# Altium PCB proto_main.PcbDoc (continued)
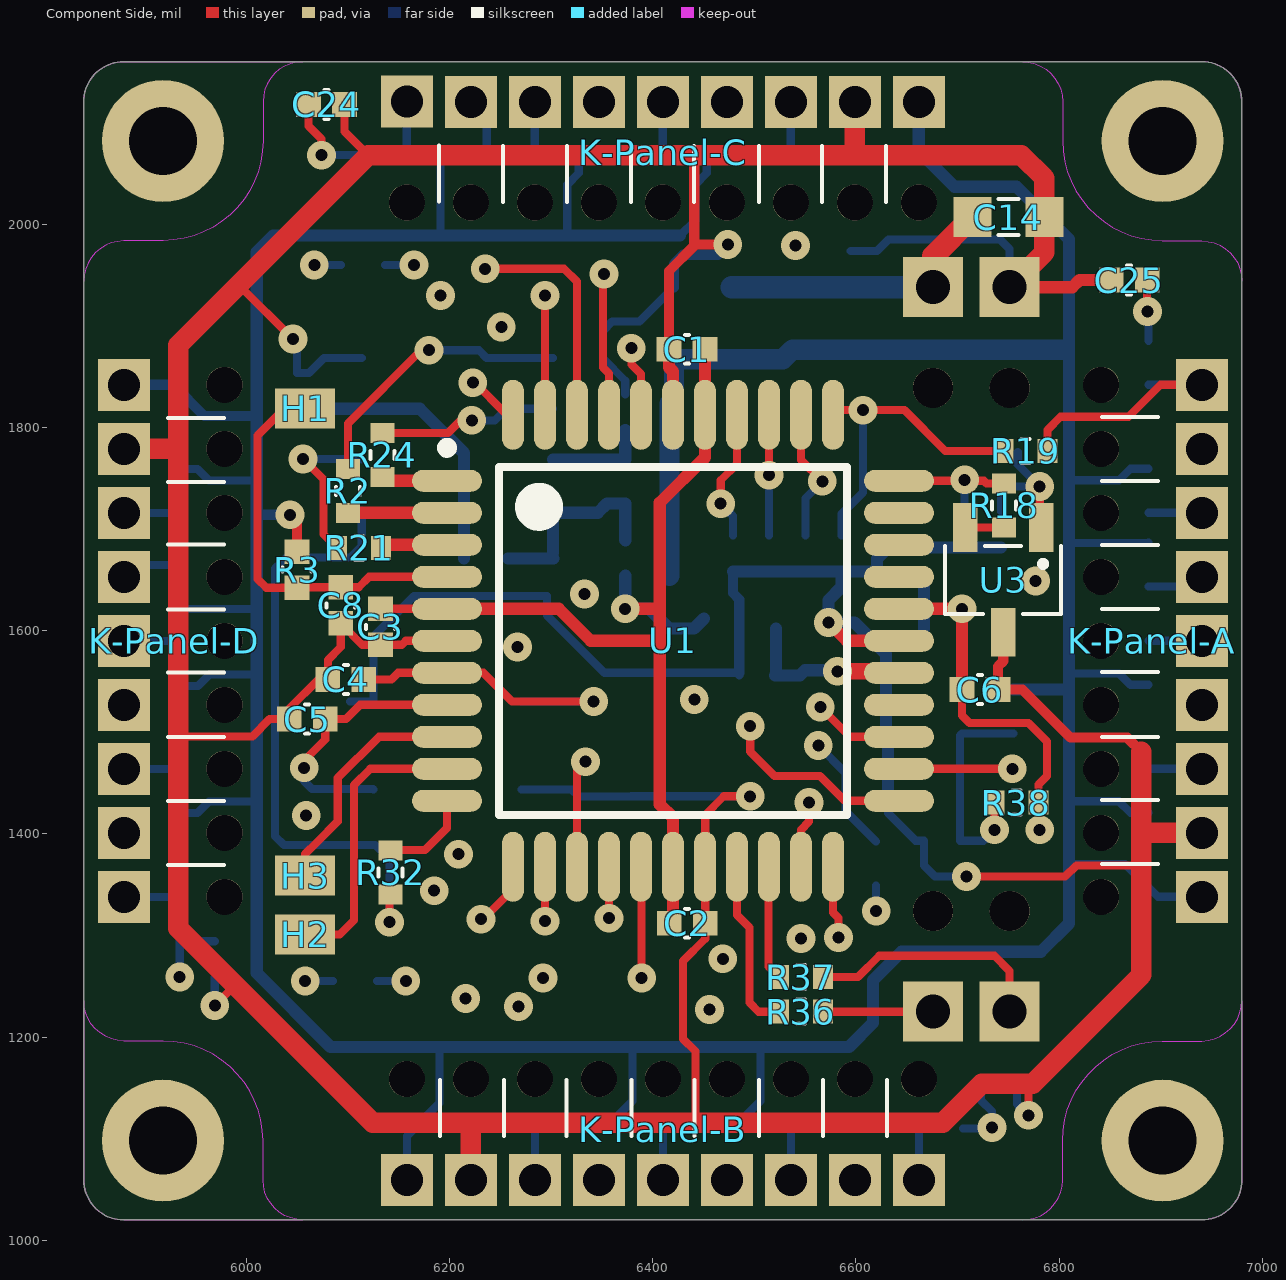
[diagram p0: Component Side view]
## Components (designator, comment, footprint, x,y, rotation, side; value= is the part's Value field where it differs from the comment) (continued)
K_SDA "AWG24 wire" wire-awg26-1_stress-relief 6751.33,1284 r90 bottom
K_Vbus "AWG24 wire" wire-awg26-1_stress-relief 6676,1879 r270 bottom
L1 "10 uH" SMD_Resistor_0603 6486,1602 r180 bottom
L2 "10 uH" SMD_Resistor_0603 6478,1902.62 r270 bottom
R1 "10R/1%" SMD_Resistor_0402 6395,1654 r180 bottom
R2 "0402" SMD_Resistor_0402 6100,1737.64 r90 top
R3 "0402" SMD_Capacitor_0402 6050,1660 r90 top
R4 "4.7k/1%" SMD_Resistor_0402 6888,1442.38 r90 bottom
R5 "4.7k/1%" SMD_Resistor_0402 6305.68,1110 r180 bottom
R6 "4.7k/1%" SMD_Resistor_0402 6514,2068 r0 bottom
R7 "4.7k/1%" SMD_Resistor_0402 5934.5,1737.62 r270 bottom
R8 "4.7k/1%" SMD_Resistor_0402 5932,1643 r90 bottom
R9 "4.7k/1%" SMD_Resistor_0402 6888,1568.35 r90 bottom
R10 "4.7k/1%" SMD_Resistor_0402 6388.36,1110 r0 bottom
R11 "4.7k/1%" SMD_Resistor_0402 6431.64,2068 r180 bottom
R12 "4.7k/1%" SMD_Resistor_0402 5932,1568 r90 bottom
R13 "4.7k/1%" SMD_Resistor_0402 6888,1665 r270 bottom
R14 "4.7k/1%" SMD_Resistor_0402 6888,1737.65 r270 bottom
R15 "4.7k/1%" SMD_Resistor_0402 6514.35,1110 r0 bottom
R16 "4.7k/1%" SMD_Resistor_0402 5934.5,1442.35 r90 bottom
R17 "4.7k/1%" SMD_Resistor_0402 6215,2068 r0 bottom
R18 "1k/1%" SMD_Resistor_0402 6746,1723.23 r90 top
R19 "1k/1%" SMD_Resistor_0402 6767,1777 r180 top
R20 "0402" SMD_Resistor_0402 6395,1689 r0 bottom
R21 "0402" SMD_Resistor_0402 6111,1681.49 r180 top
R22 "0402" SMD_Resistor_0402 6373,1746.76 r270 bottom
R23 "0402" SMD_Resistor_0402 6236,1671 r0 bottom
R24 "0402" SMD_Resistor_0402 6134,1773 r90 top
R25 "1k/1%" SMD_Resistor_0402 6620,1371 r90 bottom
R26 "1k/1%" SMD_Resistor_0402 6755,1520.35 r270 bottom
R27 "1M/1%" SMD_Resistor_0402 6642.44,1654.99 r180 bottom
R28 "1k/1%" SMD_Resistor_0402 6888,1863.64 r270 bottom
R29 "1k/1%" SMD_Resistor_0402 6683.64,1110 r180 bottom
R30 "1k/1%" SMD_Resistor_0402 6136.36,2068 r0 bottom
R31 "1k/1%" SMD_Resistor_0402 5934.5,1316 r90 bottom
R32 "0402" SMD_Resistor_0402 6142,1362 r270 top
R33 "1k/1%" SMD_Resistor_0402 6115,1960 r0 bottom
R34 "4.7k/1%" SMD_Resistor_0402 6305.65,2068 r180 bottom
R35 "1k/1%" SMD_Resistor_0402 6106.99,1255.19 r0 bottom
R36 "100R/1%" SMD_Resistor_0402 6546,1224.94 r0 top
R37 "100R/1%" SMD_Resistor_0402 6546,1259 r0 top
R38 "10R/1%" SMD_Resistor_0402 6758,1430.76 r0 top
R39 "10R/1%" SMD_Resistor_0402 6781,1776 r180 bottom
REF1 "LM4040-3V 1%" SOT23-3 6667,1550.27 r90 bottom
U1 "ATmega324P-15AT" 44ML_N 6420,1590 r0 top
U2 "FM25W256" SOIC-8-N 6209,1794 r0 bottom
U3 "LM60" SOT23-3 6745,1650 r270 top
XT1 "8 MHz" "SMD, 5mm x 3.2mm" 6198,1487 r180 bottom

## Footprints (in the part's own frame and the unit in brackets; to place one, negate y for a bottom-side part, rotate by r counter-clockwise, add the part's x,y. Pads: shape width x height; smd on the part's side, far side on the other; paste and mask are expansions set on the pad)
44ML_N [mm] "Thin QFP, 44-Leads, Body 10x10mm, Pitch 0.8mm, IPC Medium Density"
  oval 1.75x0.55 smd: 1(-5.65,4) 2(-5.65,3.2) 3(-5.65,2.4) 4(-5.65,1.6) 5(-5.65,0.8) 6(-5.65,0) 7(-5.65,-0.8) 8(-5.65,-1.6) 9(-5.65,-2.4) 10(-5.65,-3.2) 11(-5.65,-4) 23(5.65,-4) 24(5.65,-3.2) 25(5.65,-2.4) 26(5.65,-1.6) 27(5.65,-0.8) 28(5.65,0) 29(5.65,0.8) 30(5.65,1.6) 31(5.65,2.4) 32(5.65,3.2) 33(5.65,4)
  oval 0.55x1.75 smd: 12(-4,-5.65) 13(-3.2,-5.65) 14(-2.4,-5.65) 15(-1.6,-5.65) 16(-0.8,-5.65) 17(0,-5.65) 18(0.8,-5.65) 19(1.6,-5.65) 20(2.4,-5.65) 21(3.2,-5.65) 22(4,-5.65) 34(4,5.65) 35(3.2,5.65) 36(2.4,5.65) 37(1.6,5.65) 38(0.8,5.65) 39(0,5.65) 40(-0.8,5.65) 41(-1.6,5.65) 42(-2.4,5.65) 43(-3.2,5.65) 44(-4,5.65)
  silkscreen extent -5.77,-4.35 4.35,4.95, body extent -5,-5 5,5, height 1.2
"SMD, 5mm x 3.2mm" [mm]
  rect 2x1.2 smd: 1(-1.85,1.1) 2(1.85,-1.1) 3(-1.85,-1.1) 4(1.85,1.1)
  silkscreen extent -2.58,2.03 -2.49,2.12, body extent -2.5,-1.6 2.5,1.6, height 1
SMD_Capacitor_0402 [mm] "SMD Capacitor, Inch 0402, Metric 1005."
  rect 0.62x0.62 smd: 1(-0.45,0) 2(0.45,0)
  silkscreen extent -0.05,-0.36 0.05,0.36, body extent -0.5,-0.3 0.5,0.3, height 0.2
SMD_Capacitor_0603 [mm] "SMD Capacitor, Inch 0603, Metric 1608."
  rect 0.95x1 smd: 1(-0.9,0) 2(0.9,0)
  silkscreen extent -0.25,-0.45 0.25,0.45, body extent -0.8,-0.4 0.8,0.4, height 0.3
SMD_Resistor_0402 [mm] "SMD Resistor, Inch 0402, Metric 1005."
  rect 0.5x0.6 smd: 1(-0.55,0) 2(0.55,0)
  silkscreen extent -0.1,-0.3 0.1,0.3, body extent -0.52,-0.3 0.52,0.3, height 0.34
SMD_Resistor_0603 [mm] "SMD Resistor, Inch 0603, Metric 1608."
  rect 0.9x0.9 smd: 1(-0.9,0) 2(0.9,0)
  silkscreen extent -0.25,-0.45 0.25,0.45, body extent -0.8,-0.45 0.8,0.45, height 0.5
SOIC-8-N [mm] "JEDEC standard. SO-8."
  rect 1.78x0.72 smd: 1(-2.42,1.92) 2(-2.42,0.65) 3(-2.42,-0.62) 4(-2.42,-1.89) 5(2.36,-1.89) 6(2.36,-0.62) 7(2.36,0.65) 8(2.36,1.92)
  silkscreen extent -2.15,-2.45 2.11,2.45, body extent -3.02,-2.44 2.98,2.46, height 1.7
SOT23-3 [mm] "JEDEC TO-236AB package."
  rect 1.22x0.62 smd: 1(-1.31,0.95) 2(-1.31,-0.95) 3(1.31,0)
  silkscreen extent -0.85,-1.45 0.85,1.45, body extent -1.4,-1.45 1.4,1.45, height 1.3
wire-awg26-1_stress-relief [mm] "Single wire AWG26 solder point with a stress relief."
  round 1 hole 1 unplated: 0(1.017,0)
  rect 1.5x1.5 hole 0.85: 1(-1.5,0)
  silkscreen extent -0.4,-0.78 1,0.78, body extent -1.75,-0.25 1.29,0.25, height 3.23
wire-awg26-9_stress-relief [mm] "Nine-pad wire AWG26 solder point with a stress relief, 1.27 mm raster."
  round 0.9 hole 0.9 unplated: 0(1.017,0) 0(1.019,12.8) 0(1.019,11.2) 0(1.019,9.6) 0(1.019,8) 0(1.019,6.4) 0(1.019,4.8) 0(1.019,3.2) 0(1.019,1.6)
  rect 1.3x1.3 hole 0.8: 1(-1.5,0) 2(-1.499,1.6) 3(-1.499,3.2) 4(-1.499,4.8) 5(-1.499,6.4) 6(-1.499,8) 7(-1.499,9.6) 8(-1.499,11.2) 9(-1.499,12.8)
  silkscreen extent -0.4,0.8 1,11.97, body extent -1.75,-0.25 1.3,13.05, height 2.66
Wire_AWG-26_SMD [mm] "An AWG-26 SMD wire with stress relief."
  rect 1x1.5 smd: 1(0,0)

## Part data
C1 C2 C3 C6 C7 C8 C9 C10 C11 C12 C13 C14 C15 C16: library part Cap, "Capacitor"
C4 C5 C17 C18 C19: library part Cap1, "Capacitor"
C20: library part Cer_C0603T104K5RALTU, "Ceramic Cap Kemet COTS 100n/50V X7R 0603"
C21 C22 C23 C24 C25: library part Cer_C0402T103K5RALTU, "Ceramic Cap Kemet COTS 10n/50V X7R 0402"
C26: library part Cer_GCM155R71H103KA55D, "Ceramic Cap Murata Automotive 10n/50V X7R 0402"
H1 H2 H3: "SMD wire solder point."
K-Panel-A K-Panel-B K-Panel-C K-Panel-D: library part wire-awg26-9, "Single wire AWG26 solder point."
K_GND K_SCL K_SDA K_Vbus: library part wire-awg26-1, "Single wire AWG26 solder point."
L1 L2: library part Inductor, "Inductor"
R1 R38 R39: library part CRCW040210R0FKxxxx, "10R/1% Vishay CRCW 0402 Resistor. 63mW, 100ppm, 50V."
R2 R3 R20 R21 R22 R23 R24 R32: library part Res2, "Resistor"
R4 R5 R6 R7 R8 R9 R10 R11 R12 R13 R14 R15 R16 R17 R34: library part CRCW04024K70FKxxxx, "4.7k/1% Vishay CRCW 0402 Resistor. 63mW, 100ppm, 50V."
R18 R19 R25 R26 R28 R29 R30 R31 R33 R35: library part CRCW04021K00FKxxxx, "1k/1% Vishay CRCW 0402 Resistor. 63mW, 100ppm, 50V."
R27: library part CRCW04021M00FKxxxx, "1M/1% Vishay CRCW 0402 Resistor. 63mW, 100ppm, 50V."
R36 R37: library part CRCW0402100RFKxxxx, "100R/1% Vishay CRCW 0402 Resistor. 63mW, 100ppm, 50V."
REF1: library part LM4040DIM3-3.0, "Shunt V-REF, 3V, 1%, SOT23-3"
U1: "8-bit Automotive AVR Microcontroller, 32KB Flash, 1KB EEPROM, 2KB SRAM, Automotive Quality (-40°C to +85°C), 44-Pin TQFP"
U2: "256Kb (8k x 32) SPI F-RAM"
U3: "Analog temperature sensor"
XT1: library part ABM3B-8.000MHZ-B2-T, "Resonator Ceramic"

## Free pads (board coordinates)
  round 120 hole 66.93: 0(5918,1098) 0(5918,2082) 0(6902,1098) 0(6902,2082)

## Via types
v1: diameter 28.35, hole 11.81, Component Side to Solder Side, tented both sides, 66 vias

## Nets (pads, with @x,y where several pads share a name; then routed paths per layer and width w, separated by ;. In a path a pad name is that pad's centre, name@x,y a point inside that pad or via, vN(x,y) a via of type N, cw(c..) or ccw(c..) an arc to the next point about the centre after c; other vN are vias at no path point)
3V0-REF: C6.2 C22.1 C23.1 C24.1 C25.1 R28.1 R29.1 R30.1 R31.1 R38.2 U1.29 | length 3383
  Component Side w8: C24.1 6061.28,2096.72 6074,2084 v1(6074,2068) ; C6.2@6704.4,1543 C6.2 6704.4,1516.6 6712,1509 6770,1509 6788,1491 6788,1457 6779.65,1448.65 R38.2 6779.65,1405.35 v1(6781,1404) ; C25.1 6886.72,1914.28 v1(6887,1914)
  Component Side w12: U1.29 v1(6704.4,1621.5) ; C6.2@6704.4,1543 v1@6704.4,1620
  Signal Layer 1 w8: v1(5934.5,1259) 5934.5,1283.72 5959.08,1308.3 5990.86,1308.3 6009,1326.44 6009,1954.63 6074,2019.63 v1(6074,2068) ; v1(6734,1111) 6734,1126 6887,1279 6887,1431 ; v1(6781,1404) 6808,1431 6887,1431 ; v1(6887,1914) 6887,1431
  Signal Layer 2 w8: v1(5934.5,1259) 5986,1259 6126,1119 6726,1119 v1(6734,1111)
  Solder Side w8: v1(5934.5,1259) R31.1 C23.1 ; v1(6074,2068) R30.1 ; R29.1 6733,1110 v1(6734,1111) 6734,1127 6723.28,1137.72 C22.1 ; v1(6887,1914) 6888,1913 R28.1
3V3: C14.2 C15.2 K_Vbus.1 L2.1 | length 282.9
  Component Side w22: K_Vbus.1 6676,1968.43 C14.2
  Solder Side w22: L2.1 K_Vbus.1
3V3-AT: C1.2 C2.2 C3.2 L1.2 R1.2 U1.5 U1.17 U1.38 | length 1034.8
  Component Side w8: C3.2 U1.5
  Component Side w12: U1.5 6307.66,1621.5 6339.16,1590 6407,1590 ; v1(6373,1621.5) 6407,1621.5 ; C2.2 6420,1315.72 U1.17 6420,1416 6407,1429 6407,1590 ; C1.2 U1.38 6451.5,1770.5 6407,1726 6407,1621.5 ; 6407,1590 6407,1621.5
  Solder Side w12: R1.2 6373,1653.65 v1(6373,1621.5) 6396.5,1621.5 6416,1602 6440.57,1602 L1.2@6450.57,1612
3V3-AVCC: C7.2 L1.1 U1.27 | length 171.1
  Component Side w16: v1(6582,1560) 6640.94,1560 U1.27
  Solder Side w12: L1.1 6521.43,1556.72 C7.2 6545,1556 6550,1561 6581,1561 v1(6582,1560)
3V3-DIG: C16.2 K-Panel-A.9 K-Panel-B.9 K-Panel-C.9 K-Panel-D.9 L2.2 R1.1 R3.2 R4.1 R5.1 R6.1 R7.1 R8.1 R9.1 R10.1 R11.1 R12.1 R13.1 R14.1 R15.1 R16.1 R17.1 R20.2 R26.1 R34.1 R39.1 | length 5245.1
  Component Side w10: v1(6043,1714) 6050,1707 R3.2
  Solder Side w8: R8.1 6009.67,1621.35 6010.33,1622 ; R16.1 5952.19,1420.69 5963.5,1432 6010,1432 ; R7.1 5952.19,1759.28 5963.5,1747.97 6010,1747.97 ; R12.1@5934.83,1545.69 5952.52,1545.69 5963.83,1557 6010.33,1557 ; K-Panel-B.9 6158.05,1102.74 6190.31,1135 6190.31,1188.34 ; 6190,1989 6191.29,1990.29 6191.29,2065.95 R17.1 ; 6316,1992 6316,2039 6327.31,2050.31 R34.1 ; R5.1 R10.1 6366.71,1123.69 6380.02,1137 6380.02,1190.34 ; 6427,1989 6441.99,2003.99 6441.99,2039 6453.29,2050.31 R11.1 R6.1 ; R15.1 6492.69,1123.69 6506,1137 6506,1190.34 ; 6809.72,1432.03 6859,1432.03 6870.31,1420.72 R4.1 ; 6809.72,1558 6859,1558 6870.31,1546.69 R9.1 ; 6809.72,1748 6859,1748 6870.31,1759.31 R14.1 ; 6811.44,1686.28 6888,1686.28 R13.1 ; 6811.72,1370.31 6865.06,1370.31 6897.32,1338.05 K-Panel-A.9
  Solder Side w10: K-Panel-D.9 5928.05,1841.95 5958.76,1811.24 6009.56,1811.24 ; 6010.33,1715 6011.33,1714 v1(6043,1714)
  Solder Side w12: 6427,1989 6190,1989 6026.55,1989 6010.33,1972.78 6010.33,1715 6010.33,1622 6010.33,1557 6010.33,1263.02 6083.01,1190.34 6380.02,1190.34 6506,1190.34 6593.34,1190.34 6617,1214 6617,1256 6645,1284 6782,1284 6809.72,1311.72 6809.72,1432.03 6809.72,1558 6809.72,1748 6809.72,1985.28 6758,2037 6697,2037 6661.95,2072.05 K-Panel-C.9 ; R26.1 6807.72,1542
  Solder Side w20: R1.1 R20.2 6416.65,1823.65 6421,1828 C16.2 L2.2 6528.19,1867.19 6537.63,1876.63 6805.72,1876.63
AT_NRST: C8.2 H1.1 R3.1 U1.4 | length 393.3
  Component Side w8: R3.1 6019.72,1642.28 6011,1651 6011,1792 6047,1828 H1.1@6054,1828 ; R3.1@6050,1642.72 C8.2 6110.72,1642.72 6120.99,1652.99 U1.4
GND: C1.1 C2.1 C3.1 C4.1 C5.1 C6.1 C7.1 C8.1 C9.1 C10.1 C11.1 C12.1 C13.1 C14.1 C15.1 C16.1 C17.2 C18.2 C19.2 C20.2 C21.2 C22.2 C23.2 C24.2 C25.2 C26.2 K-Panel-A.8 K-Panel-B.8 K-Panel-C.8 K-Panel-D.8 K_GND.1 R27.2 REF1.2 U1.6 U1.18 U1.28 U1.39 U2.4 U3.3 XT1.3 XT1.4 | length 7075.5
  Component Side w8: 5933,1496 6006,1496 6023.01,1513.01 C5.1 6042.28,1523.28 6071,1552 C4.1 6080.28,1571.28 6093,1584 C8.1 6114.22,1586.06 C3.1 6153,1586.06 6156.94,1590 U1.6 ; v1(5969,1231) 5989,1251 ; 5992.5,1940.5 v1(6046,1887) ; C24.2 6096.72,2091.28 6120,2068 ; 6442,1115.69 6442,1186 6429.83,1198.17 6429.83,1274.84 6451.72,1296.73 C2.1 6451.72,1418.72 6470,1437 v1(6496,1437) ; v1(6709,1358) 6806,1358 6817,1369 6881,1369 ; v1(6770,1123) 6770,1150 6774,1154
  Component Side w10: C1.1 6416.06,1954.06 6441,1979 ; 6441,2068 6441,1979 ; v1(6474,1980) 6442,1980 6441,1979 ; C6.1 6739.83,1564.83 6745,1570 U3.3 ; C6.1@6741.8,1541.99 6764.01,1541.99 6811.25,1494.75 6867.25,1494.75 6881,1481
  Component Side w12: C1.1 6416.06,1858.94 6420,1855 U1.39 ; v1(6573,1608) 6591,1590 U1.28 ; K_GND.1 6813.06,1938.06 6820,1945 C25.2@6844.28,1945
  Component Side w20: K-Panel-D.8 5931.09,1778.96 ; K-Panel-B.8 6221.04,1111.09 ; 6598.96,2068.96 K-Panel-C.8 ; K_GND.1 6785.43,1972.16 C14.1 6785.43,2045.57 6763,2068 6441,2068 6120,2068 5992.5,1940.5 5933,1881 5933,1496 5933,1307 5989,1251 6124.31,1115.69 6442,1115.69 6685.69,1115.69 6724,1154 6774,1154 6881,1261 6881,1369 6881,1481 ; 6888.96,1401.04 K-Panel-A.8
  Solder Side w8: v1(5969,1231) C23.2 ; v1(6046,1887) 6050,1883 C19.2 6061.72,1853.72 6076.41,1868.41 U2.4 ; XT1.4@6101.98,1530.31 XT1.4 6125.17,1594.17 6165.28,1634.28 C17.2 6296,1615 6352.5,1558.5 6485.28,1558.5 C7.1 ; XT1.3 6320.31,1443.69 6327.31,1436.69 6378.65,1436.69 6378.96,1437 v1(6496,1437) ; C18.2 6373,1846 6351,1868 6351,1895 6360.17,1904.17 6387.12,1904.17 C16.1 ; C15.1 6620.72,1973.72 6632,1985 6742,1985 6751.33,1975.67 K_GND.1 ; C20.2 6631.57,1420.43 6658.73,1393.27 C21.2 6667,1369 6678,1358 v1(6709,1358) ; C22.2 6758.72,1134.28 v1(6770,1123)
  Solder Side w10: C16.1 6421,1961 6430,1970 6464,1970 v1(6474,1980) ; C12.1 6479,1637 6485.28,1630.72 C7.1@6485.28,1558.5
  Solder Side w12: C12.1 C11.1 C10.1 C9.1 ; REF1.2 6629.6,1577.12 6598.72,1608 v1(6573,1608) 6573,1630 6586,1643 C9.1 ; C20.2 REF1.2@6631.57,1496.73 ; C26.2 C13.1 6631.86,1681.86 6620.79,1670.79 R27.2 6617.5,1658.28 C9.1
NetC4_2: C4.2 U1.7 XT1.1 | length 301.8
  Component Side w8: C4.2 6143,1552 6149.5,1558.5 U1.7 6233.5,1558.5 6261.69,1530.31 v1@6332,1530.31
  Solder Side w8: XT1.1 v1(6342,1530.31)
NetC5_2: C5.2 U1.8 XT1.2 | length 267.8
  Component Side w8: v1(6057,1465) 6057,1472 6077.72,1492.72 C5.2 6098.01,1513.01 6112.01,1527.01 U1.8
  Solder Side w8: v1@6057,1466 6057,1452 6064.83,1444.17 6124.69,1444.17 XT1.2
NetC17_1: C17.1 R20.1 R22.2 R23.2 U2.8 | length 198.4
  Solder Side w12: R23.2 C17.1@6302.28,1671 ; C17.1@6301.91,1676.72 U2.8 6304.32,1716 6346,1716 6355.1,1725.1 R22.2 6373,1689.35 R20.1
NetC18_1: C18.1 R22.1 U2.7 | length 100
  Solder Side w12: U2.7 R22.1 C18.1
NetC19_1: C19.1 R23.1 U2.3 | length 286.3
  Solder Side w12: C19.1 6050.13,1818.41 U2.3 6170.75,1818.41 6214.35,1774.81 6214.35,1761.83 R23.1
NetC20_1: C20.1 C21.1 R26.2 R38.1 REF1.1 | length 222
  Component Side w8: v1(6736.35,1404) R38.1
  Solder Side w8: v1(6736.35,1404) 6725.61,1393.27 C21.1 C20.1 6702.43,1496.72 REF1.1 R26.2
NetC26_1: C26.1 R39.2 U3.1 | length 142.6
  Component Side w8: v1(6781,1742) 6781,1702.98 U3.1
  Solder Side w8: C26.1 6743,1735 6750,1742 v1(6781,1742) 6759.35,1763.65 R39.2
NetK_SCL_1: K_SCL.1 R36.2 | length 108.3
  Component Side w8: R36.2 K_SCL.1
NetK_SDA_1: K_SDA.1 R37.2 | length 238.7
  Component Side w8: R37.2 6602,1259 6623,1280 6736.34,1280 6751.33,1265 K_SDA.1
NetR2_1: R2.1 U1.2 | length 97.6
  Component Side w12: R2.1 U1.2
NetR2_2: R2.2 U2.5 | length 279.6
  Component Side w8: R2.2 6100,1804 6172,1876 v1(6180,1876)
  Solder Side w8: v1(6180,1876) 6229,1876 6236.59,1868.41 U2.5
NetR18_1: R18.1 U3.2 | length 38.4
  Component Side w8: U3.2 R18.1
NetR21_1: R21.1 U1.3 | length 66.1
  Component Side w12: R21.1 6135.65,1684.49 U1.3
NetR21_2: R21.2 U2.2 | length 159.3
  Component Side w8: v1(6056,1769) 6076,1749 6076,1694.83 R21.2
  Solder Side w8: v1(6056,1769) 6113.13,1769 U2.2
NetR24_1: R24.1 U1.1 | length 66.1
  Component Side w12: R24.1@6132.65,1750.48 6135.65,1747.48 U1.1
NetR24_2: R24.2 U2.6 | length 177.8
  Component Side w8: R24.2 6198.65,1794.65 6211,1807 v1(6222,1807)
  Solder Side w8: v1(6222,1807) 6244.59,1807 6256,1818.41 U2.6
NetR27_1: R27.1 REF1.3 | length 51.1
  Solder Side w12: REF1.3 R27.1@6667,1652.99
NetR32_1: R32.1 U1.11 | length 87.8
  Component Side w8: R32.1@6145.65,1384 6175.99,1384 6197.56,1405.57 U1.11
NetR32_2: R32.2 U2.1 | length 604.9
  Component Side w8: v1(6141,1313) 6141,1339.35 R32.2
  Solder Side w8: U2.1 6113.72,1683.28 6102.45,1672 6039.33,1672 6028.33,1661 6028.33,1397.67 6037,1389 6127,1389 6141,1375 v1(6141,1313)
NetR36_1: R36.1 U1.19 | length 171.6
  Component Side w8: U1.19 6482.99,1320.01 6495.17,1307.83 6495.17,1233.83 6504.06,1224.94 R36.1
NetR37_1: R37.1 U1.20 | length 113
  Component Side w8: U1.20 6514,1367.07 6514,1269.35 R37.1
RTD-PANEL-A: K-Panel-A.1 R19.1 R28.2 | length 243.5
  Component Side w8: R19.1 6788.65,1797.65 6801.53,1810.53 6868.53,1810.53 6899.98,1841.98 K-Panel-A.1
  Solder Side w8: R28.2@6888.06,1841.98 K-Panel-A.1
RTD-PANEL-B: K-Panel-B.1 R25.1 R29.2 | length 357.8
  Signal Layer 1 w8: v1(6620,1324) 6620,1310 6628.71,1301.29 6628.71,1135.83 6661.98,1102.55 K-Panel-B.1
  Solder Side w8: v1(6620,1324) R25.1 ; K-Panel-B.1 R29.2
RTD-PANEL-C: K-Panel-C.1 R30.2 R33.1 | length 277.3
  Signal Layer 1 w8: v1(6067,1960) 6067,1990 6158.02,2081.02 K-Panel-C.1
  Solder Side w8: v1(6067,1960) R33.1 ; R30.2 K-Panel-C.1
RTD-PANEL-D: K-Panel-D.1 R31.2 R35.1 | length 296
  Component Side w8: K-Panel-D.1 K-Panel-D.1@5880,1337.46
  Signal Layer 2 w8: K-Panel-D.1 5929.61,1338.02 6012.44,1255.19 v1(6058,1255.19)
  Solder Side w8: K-Panel-D.1 R31.2@5934.5,1338.02 ; v1(6058,1255.19) R35.1
RXD0: H3.1 U1.9 | length 233.6
  Component Side w8: H3.1 6058,1380 6069.83,1391.83 6090,1411.99 6090,1455 6130.51,1495.51 U1.9
SCL-1: K-Panel-A.6 K-Panel-B.6 K-Panel-C.6 K-Panel-D.6 R8.2 U1.25 | length 2589.5
  Component Side w8: v1(6565,1525) 6594.49,1495.51 U1.25
  Signal Layer 1 w8: v1(6268,1230) 6317.31,1180.69 6317.31,1146.31 6347.02,1116.59 K-Panel-B.6 ; v1(6441,1532.33) 6441,1265 6456,1250 v1(6456,1227) ; v1@6443.26,1532.33 6440.83,1534.76 6440.83,2031.31 6472.98,2063.46 K-Panel-C.6
  Signal Layer 2 w8: K-Panel-D.6 5936.58,1652.98 5966.3,1623.26 6287.74,1623.26 6378.67,1532.33 v1(6441,1532.33) ; v1(6268,1230) 6271,1227 v1(6456,1227) ; v1@6444,1532.33 6557.67,1532.33 v1(6565,1525) 6594,1496 6852.44,1496 6883.46,1527.02 K-Panel-A.6
  Solder Side w8: K-Panel-D.6 5891.18,1664.65 R8.2
SCL-2: K-Panel-A.4 K-Panel-B.4 K-Panel-C.4 K-Panel-D.4 R13.2 U1.16 | length 2798.6
  Component Side w8: U1.16 6389.17,1366.89 v1(6389.17,1258)
  Signal Layer 1 w8: v1@6051,1418 6134,1418 6158.83,1393.17 6158.83,1333.16 6203.65,1288.33 6261.67,1288.33 ; v1(6292,1258) 6261.67,1288.33 ; K-Panel-C.4 6346.99,2063.46 6314,2030.47 6314,1968 6302.17,1956.17 6283.17,1956.17 6251,1924 v1(6251,1899) 6284,1866 6284,1604.01 6293.17,1594.84 6293.17,1573.16 6284,1563.99 6284,1341.01 6261.67,1318.68 6261.67,1288.33 ; v1(6389.17,1258) 6389.17,1238.83 6443.29,1184.71 6443.29,1146.31 6473.01,1116.59 K-Panel-B.4
  Signal Layer 2 w8: K-Panel-D.4 5936.58,1526.99 5966.3,1497.28 5987.36,1497.28 6010,1474.64 6010,1459 6051,1418 v1(6059,1418) ; v1(6251,1899) 6370.83,1779.17 6572.83,1779.17 6599,1753 6599,1718 6618.31,1698.69 6811.31,1698.69 6827.28,1682.72 6853.75,1682.72 6883.46,1653.01 K-Panel-A.4 ; v1(6292,1258) v1(6389.17,1258)
  Solder Side w8: R13.2 6930.89,1643.35 K-Panel-A.4
SCL-3: K-Panel-A.2 K-Panel-B.2 K-Panel-C.2 K-Panel-D.2 R17.2 U1.43 | length 2795.1
  Component Side w8: U1.43 v1(6294.02,1930)
  Signal Layer 1 w8: v1(6185,1344) 6182.83,1346.17 6182.83,1390.84 6191.29,1399.31 6191.29,1849.31 6206.17,1864.19 6206.17,1915.12 v1(6191.29,1930) 6191.29,2033.75 6221.01,2063.46 K-Panel-C.2 ; v1(6546,1297) 6565.72,1277.28 6565.72,1149.87 6598.99,1116.59 K-Panel-B.2
  Signal Layer 2 w8: K-Panel-D.2 5936.58,1401.01 5969.86,1367.73 6161.27,1367.73 v1(6185,1344) 6499,1344 v1(6546,1297) ; v1(6191.29,1930) v1(6294.02,1930) 6299.19,1924.83 6362.84,1924.83 6368.01,1930 6607,1930 6641,1896 6793,1896 6811,1878 6811,1830.45 6829.18,1812.27 6855.73,1812.27 6889.01,1778.99 K-Panel-A.2
  Solder Side w8: K-Panel-C.2 6236.65,2104.9 R17.2
SDA-PANEL-A-1: K-Panel-A.7 R4.2 U1.21 | length 519.4
  Component Side w8: U1.21 6545.98,1403.98 6554,1412 v1(6554,1430.76)
  Signal Layer 2 w8: v1(6554,1430.76) 6863.76,1430.76 6897.03,1464.03 K-Panel-A.7
  Solder Side w8: R4.2 K-Panel-A.7
SDA-PANEL-A-2: K-Panel-A.5 R9.2 U1.15 | length 1077.9
  Component Side w8: v1(6357.01,1316.99) U1.15
  Signal Layer 1 w8: v1(6333,1636) 6333,1578 6368.17,1542.83 6368.17,1354.17 6357.01,1343.01 v1(6357.01,1316.99)
  Signal Layer 2 w8: v1@6332.5,1636.5 6343.67,1647.67 6715.33,1647.67 6743.27,1619.73 6853.75,1619.73 6883.46,1590.01 K-Panel-A.5
  Solder Side w8: R9.2 K-Panel-A.5
SDA-PANEL-A-3: K-Panel-A.3 R14.2 U1.40 | length 847.3
  Component Side w8: v1(6379,1878) 6379,1862 6388.5,1852.5 U1.40
  Signal Layer 2 w8: v1(6379,1878) 6379,1904 6389,1914 6600.37,1914 6634.37,1880 6786.37,1880 6795,1871.37 6795,1783.4 6829.13,1749.27 6850.19,1749.27 6883.46,1716 K-Panel-A.3
  Solder Side w8: R14.2 K-Panel-A.3
SDA-PANEL-B-1: K-Panel-B.7 R5.2 U1.22 | length 796.8
  Component Side w8: U1.22 6577.48,1322.52 6583,1317 v1(6583,1298)
  Signal Layer 1 w8: v1(6216,1238) 6252,1202 6252,1148.62 6284.03,1116.59 K-Panel-B.7
  Signal Layer 2 w8: v1(6216,1238) 6256,1198 6556,1198 6583,1225 v1(6583,1298)
  Solder Side w8: K-Panel-B.7 R5.2
SDA-PANEL-B-2: K-Panel-B.5 R10.2 U1.13 | length 406
  Component Side w8: U1.13@6293,1366.54 U1.13 ; v1(6294.02,1314.02) U1.13@6294.02,1365.53
  Signal Layer 1 w8: v1(6294.02,1314.02) 6294.02,1292.98 6302.83,1284.17 6380.3,1206.72 6380.3,1146.31 6410.01,1116.59 K-Panel-B.5
  Solder Side w8: K-Panel-B.5 R10.2
SDA-PANEL-B-3: K-Panel-B.3 R15.2 U1.41 | length 1337.5
  Component Side w8: v1@6351,1951 6351,1859 6357.01,1852.99 U1.41
  Signal Layer 1 w8: K-Panel-B.3 6536,1116.59 6506.28,1146.31 6506.28,1294.3 6522.83,1310.84 6522.83,1724.32 6540.66,1742.16 6540.66,1978.34 v1@6540,1979
  Signal Layer 2 w8: v1(6352,1951) 6512,1951 v1@6540,1979
  Solder Side w8: K-Panel-B.3 R15.2
  other v1: 6540.66,1979
SDA-PANEL-C-1: K-Panel-C.7 R6.2 U1.23 | length 883.1
  Component Side w8: v1(6496,1506) 6496,1481 6520.07,1456.93 6564.84,1456.93 6589.25,1432.52 U1.23
  Signal Layer 1 w8: v1(6496,1506) 6496,1734.47 6488.31,1742.16 6488.31,1763.84 6503.65,1779.17 6506.25,1779.17 6506.25,2033.75 6535.97,2063.46 K-Panel-C.7
  Solder Side w8: R6.2@6535.97,2067.94 K-Panel-C.7
SDA-PANEL-C-2: K-Panel-C.5 R11.2 U1.14 | length 871
  Component Side w8: U1.14 6325.51,1462.51 v1(6334,1471)
  Signal Layer 1 w8: v1@6334,1473 6302,1505 6302,1559.36 6309.17,1566.53 6309.17,1601.47 6302,1608.64 6302,1838.01 6368.16,1904.17 6380.27,1916.27 6380.27,2033.75 6409.98,2063.46 K-Panel-C.5
  Solder Side w8: R11.2@6409.98,2067.94 K-Panel-C.5
SDA-PANEL-C-3: K-Panel-C.3 R34.2 U1.42 | length 463.8
  Component Side w8: v1(6235.17,1956.17) 6312.83,1956.17 6325.51,1943.49 U1.42
  Signal Layer 1 w8: v1(6235.17,1956.17) 6235.17,1993.58 6250.73,2009.13 6250.73,2030.19 6284,2063.46 K-Panel-C.3
  Solder Side w8: R34.2@6284,2067.94 K-Panel-C.3
SDA-PANEL-D-1: K-Panel-D.7 R7.2 U1.24 | length 1282.1
  Component Side w8: U1.24 v1(6754.02,1464.02)
  Signal Layer 1 w8: v1(6754.02,1464.02) 6769.02,1464.02 6777,1472 v1(6777,1649)
  Signal Layer 2 w8: K-Panel-D.7 5936.58,1715.97 5969.86,1682.69 6743.31,1682.69 v1@6769.5,1656.5
  Solder Side w8: K-Panel-D.7 R7.2@5932.1,1715.97
SDA-PANEL-D-2: K-Panel-D.5 R12.2 U1.12 | length 834.7
  Component Side w8: v1@6231,1314 6262.52,1345.52 U1.12
  Signal Layer 1 w8: v1@6231,1314 6267,1350 v1(6267,1584)
  Signal Layer 2 w8: K-Panel-D.5 5936.58,1589.98 5969.57,1557 5993,1557 6042,1606 6245,1606 v1(6267,1584)
  Solder Side w8: K-Panel-D.5 R12.2@5932.1,1589.98
  other v1: 6231,1316
SDA-PANEL-D-3: K-Panel-D.3 R16.2 U1.44 | length 967
  Component Side w8: v1(6223,1844) 6223,1846 6256.56,1812.44 U1.44
  Signal Layer 1 w8: v1(6209,1380) 6209,1744 6248.17,1783.17 6248.17,1820.87 6223.02,1846.02 v1(6223,1844)
  Signal Layer 2 w8: K-Panel-D.3 5936.58,1464 5969.86,1430.73 5990.92,1430.73 6037.91,1383.73 6205.27,1383.73 v1(6209,1380)
  Solder Side w8: K-Panel-D.3 R16.2@5932.1,1464
TEMP_AIN_1: C12.2 R35.2 U1.37 | length 936.1
  Component Side w8: v1(6467,1725) 6467,1748 6482.99,1763.99 U1.37
  Signal Layer 1 w8: v1@6468.83,1725.98 6468.83,1420.33 v1(6469,1277)
  Signal Layer 2 w8: v1(6156.99,1255.19) 6187.8,1286 6436,1286 6445,1277 v1(6469,1277)
  Solder Side w8: R35.2 v1(6156.99,1255.19) ; v1(6467,1725) 6479,1713 C12.2
TEMP_AIN_2: C11.2 R33.2 U1.36 | length 605.9
  Component Side w8: v1(6514.49,1753) U1.36
  Signal Layer 2 w8: v1(6165,1960) 6165,1917 6179.83,1902.17 6206.17,1902.17 6236.35,1872 6255,1872 6372.83,1754.17 v1@6513.31,1754.17
  Solder Side w8: R33.2 v1(6165,1960) ; v1(6514.49,1753) 6514.49,1693.89 C11.2
TEMP_AIN_3: C10.2 R25.2 U1.35 | length 532.8
  Component Side w8: U1.35 6545.98,1768.02 v1(6567,1747)
  Signal Layer 1 w8: v1(6563,1487) 6538.83,1511.17 6538.83,1535.84 6539,1536.01 6539,1717.87 v1@6567,1745.87
  Solder Side w8: C10.2 6550.33,1730.33 v1(6567,1747) ; v1(6563,1487) 6590,1460 6590,1422.65 R25.2
TEMP_AIN_4: C9.2 R19.2 U1.34 | length 318.3
  Component Side w8: U1.34@6582.04,1817 v1(6607,1817) 6648,1817 6688,1777 R19.2
  Component Side w12: U1.34 U1.34@6582.04,1817
  Solder Side w8: C9.2 6586,1715 6607,1736 v1(6607,1817)
TEMP_BOARD: C13.2 R18.2 U1.33 | length 135.8
  Component Side w8: U1.33 6657,1747.48 6726,1747.48 6728.6,1744.88 R18.2
  Solder Side w8: C13.2 v1(6707.12,1748.48)
TXD0: H2.1 U1.10 | length 285
  Component Side w8: H2.1 6092,1301 6106,1315 6106,1448 6122.02,1464.02 U1.10
pads on no net: K-Panel-A.0 K-Panel-B.0 K-Panel-C.0 K-Panel-D.0 K_GND.0 K_SCL.0 K_SDA.0 K_Vbus.0 U1.26 U1.30 U1.31 U1.32

## Keep-outs
Keep-Out Layer:
  region: 6980,2120.63 ccw(c6940.63,2120.63) 6940.63,2160 6764.23,2160 cw(c6764.23,2120.7) 6803.5,2120.7 6803.5,2082 ccw(c6901.5,2082) 6901.5,1984 6940.63,1984 cw(c6940.63,1944.13) 6980,1944.13
  region: 6980,1059.37 cw(c6940.63,1059.37) 6940.63,1020 6764.23,1020 ccw(c6764.23,1059.3) 6803.5,1059.3 6803.5,1098 cw(c6901.5,1098) 6901.5,1196 6940.63,1196 ccw(c6940.63,1235.87) 6980,1235.87
  region: 5840,1059.37 ccw(c5879.37,1059.37) 5879.37,1020 6055.77,1020 cw(c6055.77,1059.3) 6016.5,1059.3 6016.5,1098 ccw(c5918.5,1098) 5918.5,1196 5879.37,1196 cw(c5879.37,1235.87) 5840,1235.87
  region: 5840,2120.63 cw(c5879.37,2120.63) 5879.37,2160 6055.77,2160 ccw(c6055.77,2120.7) 6016.5,2120.7 6016.5,2082 cw(c5918.5,2082) 5918.5,1984 5879.37,1984 ccw(c5879.37,1944.13) 5840,1944.13

## Silkscreen, mask and mechanical layers (free items; w line width, h text height)
Bottom Overlay:
  lines w6: 5859,1977 5859,1977.5
  lines w8: 5840,1235.87 5840,1944 ; 5879.37,1196.5 5918.07,1196.5 ; 5879.37,1196.63 cw(c5879.37,1236) 5840,1236 5840,1059.4 ccw(c5879.37,1059.4) 5879.37,1020.03 6055.77,1020.03 ; 5879.37,1983.37 ccw(c5879.37,1944) 5840,1944 ; 5879.37,1983.5 5918.07,1983.5 ; 5918.07,1196.43 cw(c5918.07,1098) 6016.5,1098 6016.5,1059.5 ccw(c6055.87,1059.5) 6055.87,1020.13 ; 5918.07,1983.57 ccw(c5918.07,2082) 6016.5,2082 6016.5,2120.5 cw(c6055.87,2120.5) 6055.87,2159.87 6764.13,2159.87 cw(c6764.13,2120.5) 6803.5,2120.5 6803.5,2082 ccw(c6901.93,2082) 6901.93,1983.57 ; 6055.77,2159.97 5879.37,2159.97 ccw(c5879.37,2120.6) 5840,2120.6 5840,1944 ; 6056,1020 6763.5,1020 ; 6764.13,1020.13 ccw(c6764.13,1059.5) 6803.5,1059.5 6803.5,1098 cw(c6901.93,1098) 6901.93,1196.43 ; 6764.23,1020.03 6940.63,1020.03 ccw(c6940.63,1059.4) 6980,1059.4 6980,1236 cw(c6940.63,1236) 6940.63,1196.63 ; 6764.23,2159.97 6940.63,2159.97 cw(c6940.63,2120.6) 6980,2120.6 6980,1944 ccw(c6940.63,1944) 6940.63,1983.37 ; 6901.93,1196.5 6940.63,1196.5 ; 6901.93,1983.5 6940.63,1983.5 ; 6980,1235.87 6980,1943
Mechanical 2:
  the board outline again, w8
Mechanical 13:
  lines w8: 5840,1059.37 5840,2120.6 cw(c5879.37,2120.6) 5879.37,2159.97 ; 5840,1236 ccw(c5879.37,1236) 5879.37,1196.63 ; 5840,1944 cw(c5879.37,1944) 5879.37,1983.37 ; 5840.03,1059.37 ccw(c5879.4,1059.37) 5879.4,1020 6940.63,1020 ; 5879.37,1196.5 5918.07,1196.5 ; 5879.37,1983.5 5918.07,1983.5 ; 5879.37,2160 6940.6,2160 cw(c6940.6,2120.63) 6979.97,2120.63 ; 5918.07,1196.43 cw(c5918.07,1098) 6016.5,1098 6016.5,1059.5 ccw(c6055.87,1059.5) 6055.87,1020.13 ; 5918.07,1983.57 ccw(c5918.07,2082) 6016.5,2082 6016.5,2120.5 cw(c6055.87,2120.5) 6055.87,2159.87 ; 6764.13,1020.13 ccw(c6764.13,1059.5) 6803.5,1059.5 6803.5,1098 cw(c6901.93,1098) 6901.93,1196.43 ; 6764.13,2159.87 cw(c6764.13,2120.5) 6803.5,2120.5 6803.5,2082 ccw(c6901.93,2082) 6901.93,1983.57 ; 6901.93,1196.5 6940.63,1196.5 ; 6901.93,1983.5 6940.63,1983.5 ; 6940.63,1020.03 ccw(c6940.63,1059.4) 6980,1059.4 6980,2120.63 ; 6940.63,1196.63 ccw(c6940.63,1236) 6980,1236 ; 6940.63,1983.37 cw(c6940.63,1944) 6980,1944

## Dimensions
5918,1098 to 5879.4,1020 on Mechanical 1
6016.5,1059.5 to 5840,1059.37 on Mechanical 1
6980,1059.4 to 5840,1059.37 on Mechanical 1
6940.6,2160 to 6940.63,1020 on Mechanical 1